# Altium PCB PCB1.PcbDoc (part 3 of 5)
Units mil, origin at the board's own origin, x right, y up, seen from the top; angles counter-clockwise.
Board outline 7874.02 x 4566.93 mil, 8 copper layers (HIGH_SPEED_TOP, GND PLANE1, LOW_SPEED, +1V8_3V3_5V, +12V, SIGNAL, GND_PLANE3, HIGH_SPEED_BOT), stack 62.99 mil thick; 506 components, 435 nets, 2446 pads, 250 vias.
Unrouted connection lines stored in the file: 958.
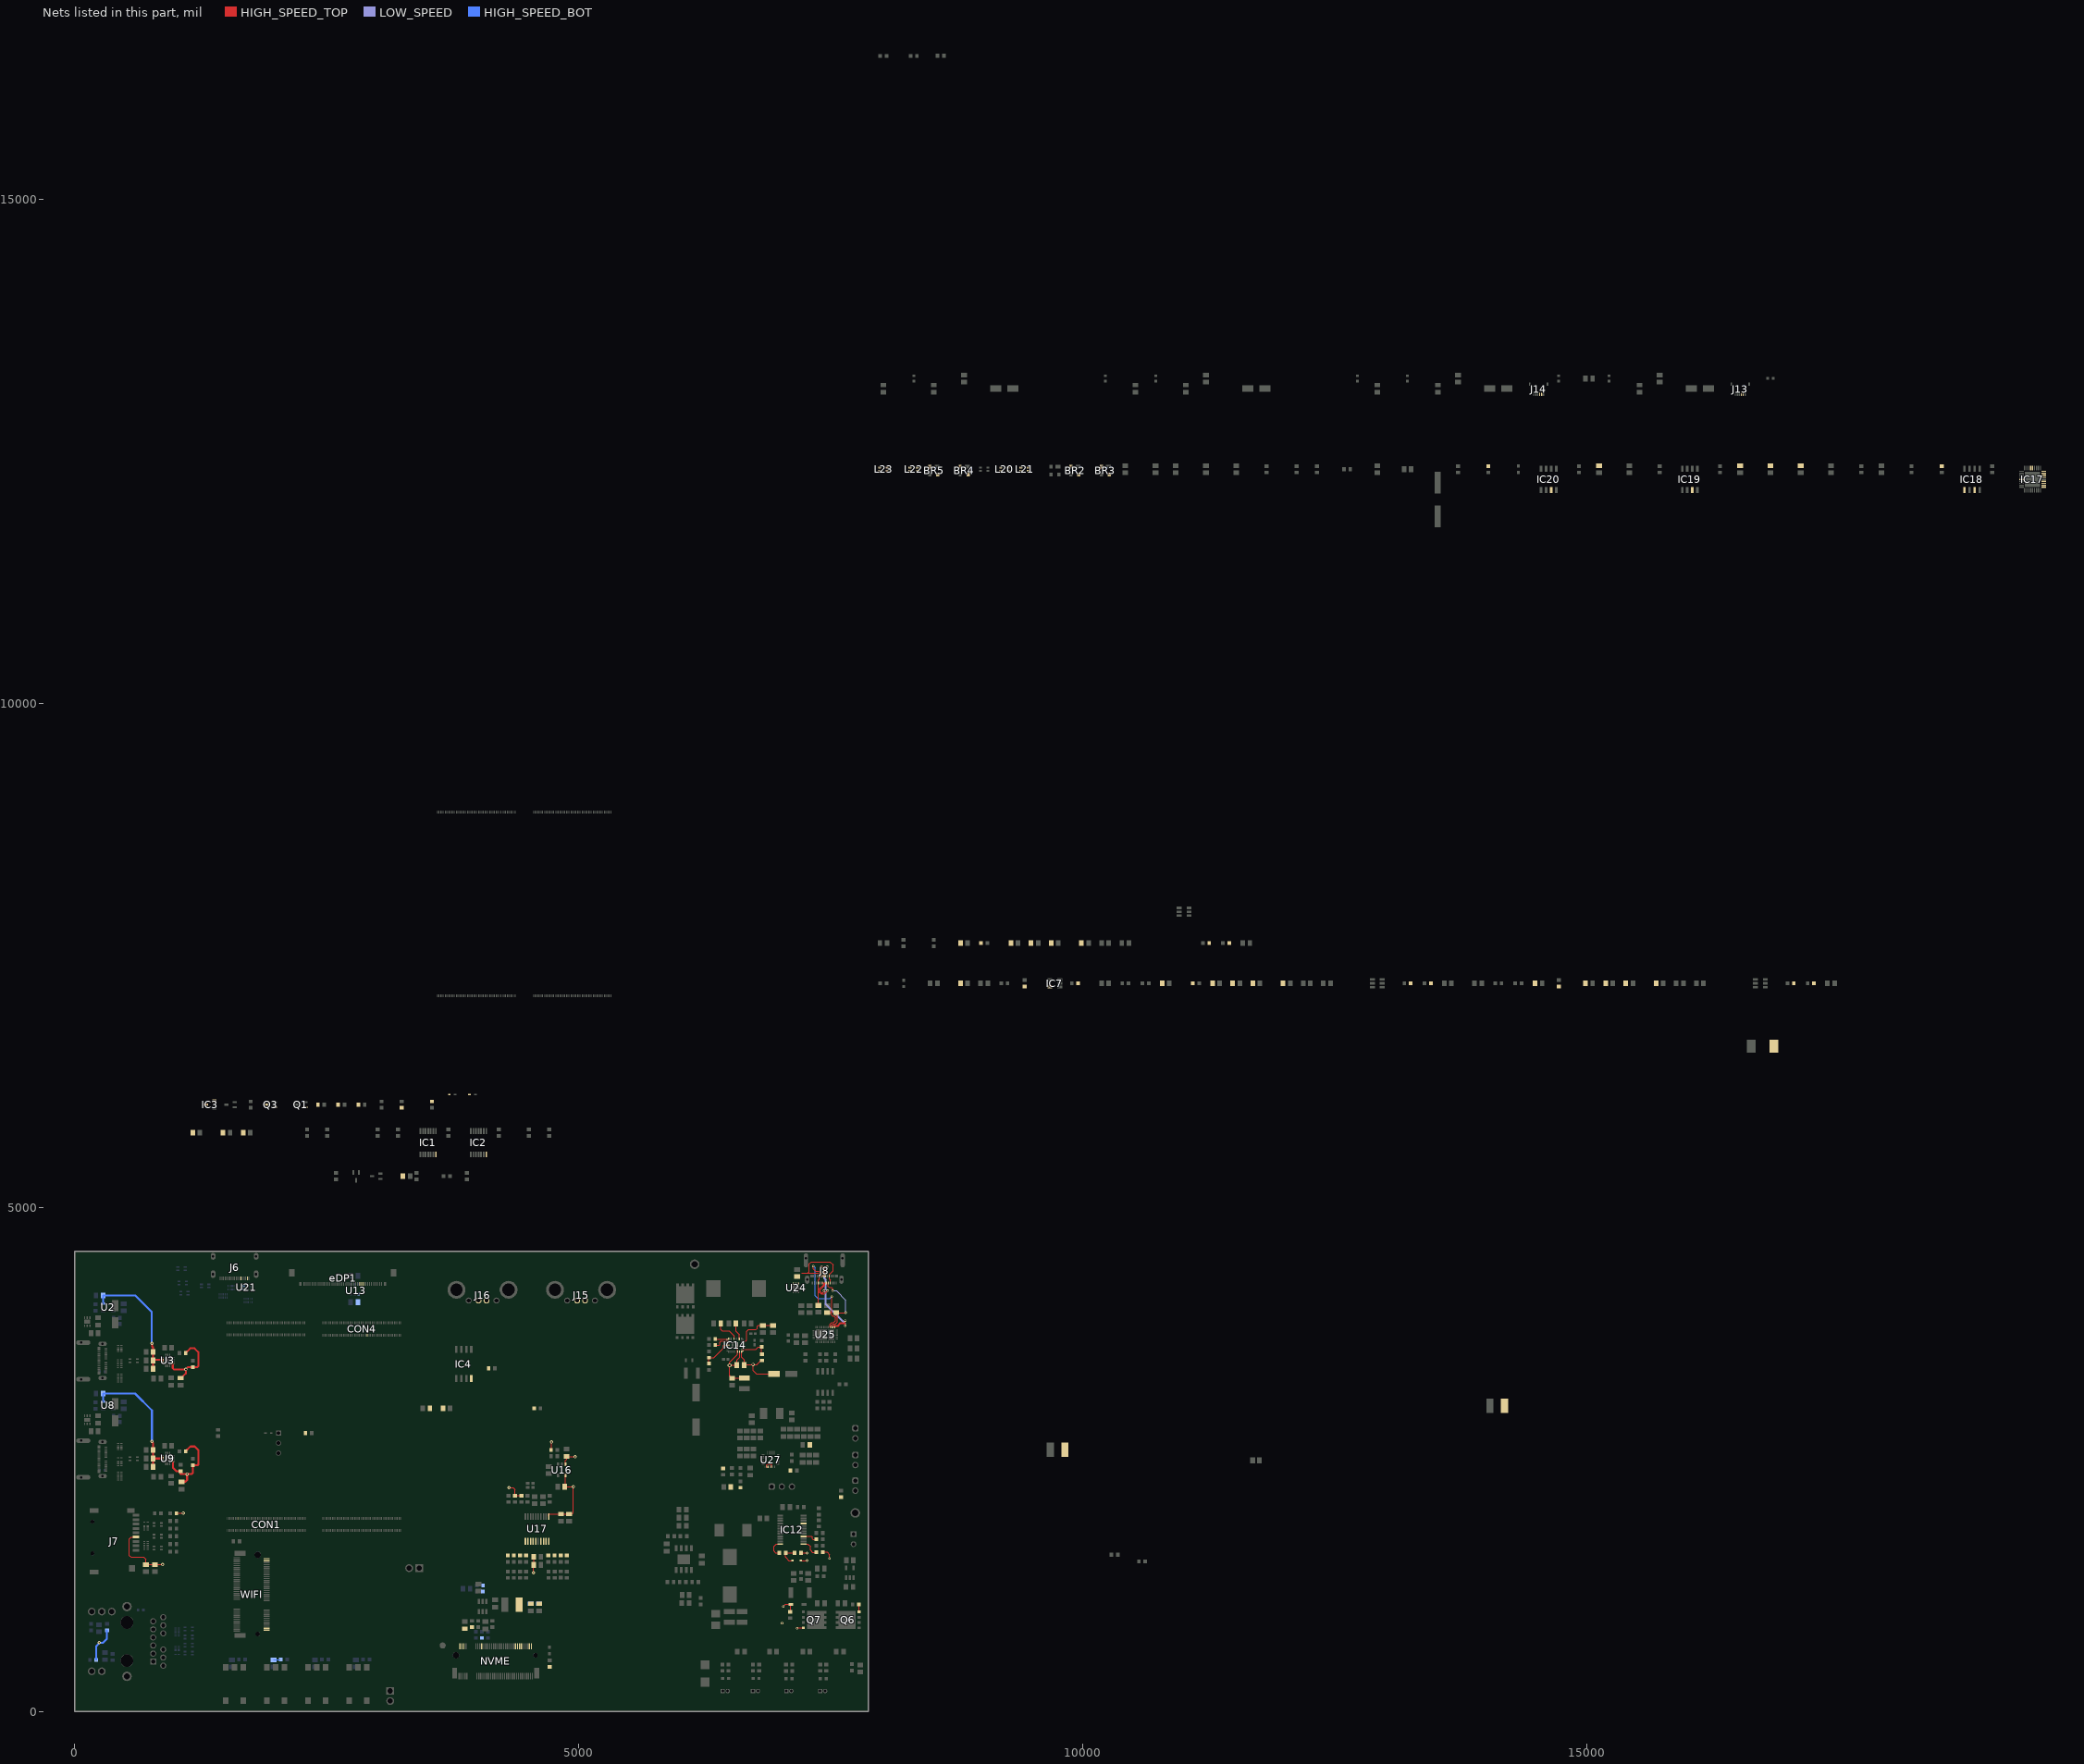
[diagram p9: the nets of this part, all layers, seen from the top]

## Part data (continued)
IC3: "USB Power Switch Single 5.2V 0.4A 3-Pin SOT-23 T/R", Case/Package=TO-236-3, Manufacturer=Diodes, Manufacturer_Name="Diodes Incorporated", Max Operating Temperature=85°C, Min Operating Temperature=-40°C, Mouser Part Number=621-AP2331TDSA-7, Output Current=200mA, Supplier Part Number=AP2331TDSA-7DICT-ND, Arrow Part Number=AP2331TDSA-7, Arrow Price/Stock=https://www.arrow.com/en/products/ap2331tdsa-7/diodes-incorporated?region=nac, Category="USB Interface ICs", ComponentLink1Description=https://www.diodes.com/assets/Datasheets/AP2331TD.pdf?src-supplier=Digikey, ComponentLink1URL=https://www.diodes.com/assets/Datasheets/AP2331TD.pdf?src-supplier=Digikey, ComponentLink2Description=https://datasheet.octopart.com/AP2331TDSA-7-Diodes-Inc.-datasheet-150576120.pdf?src-supplier=SHENGYU+ELECTRONICS, ComponentLink2URL=https://datasheet.octopart.com/AP2331TDSA-7-Diodes-Inc.-datasheet-150576120.pdf?src-supplier=SHENGYU+ELECTRONICS, Datasheet Link=https://www.diodes.com//assets/Datasheets/AP2331TD.pdf, Height=1.1mm, Manufacturer Part Number=AP2331TDSA-7, Manufacturer_Part_Number=AP2331TDSA-7, Mounting Technology="Surface Mount", Mouser Price/Stock=https://www.mouser.co.uk/ProductDetail/Diodes-Incorporated/AP2331TDSA-7?qs=W0yvOO0ixfEfFxPGIHJ0Tw%3D%3D, Number of Channels=1NUMBER, Packaging="Cut Tape", Pricing="1=0.57, 10=0.339, 25=0.2784, 100=0.2098, 250=0.176, 500=0.1552, 1000=0.13777 (USD)", RoHS=Yes, RoHS Compliant=Yes, Series=-, Stock=6292, Supplier=Digikey
IC4: "FLASH - NOR Memory IC 8Mb (1M x 8) SPI - Quad I/O 108 MHz 8-SOIC", Case/Package=SOP, Clock Frequency=108MHz, Manufacturer=Renesas, Manufacturer_Name="Adesto Technologies", Max Operating Temperature=85°C, Max Supply Current=16mA, Max Supply Voltage=3.6V, Min Operating Temperature=-40°C, Min Supply Voltage=2.7V, Mouser Part Number=988-AT25SF081B-SHB-T, Nominal Supply Voltage=3V, Operating Mode=SYNCHRONOUS, Package Body Material=Plastic, Package Equivalence Code=SOP8,.3, Package Shape=Rectangular, Standby Current-Max=30uA, Supplier Part Number=1265-AT25SF081B-SHB-TCT-ND, Temperature Grade=INDUSTRIAL, Category=Memory, Channels=1, Data Retention Time-Min=20, Datasheet Link=https://eu.mouser.com/datasheet/2/590/at25sf081b-1888118.pdf, Density=8388608b, Endurance=100000Cycles, Height=2.16mm, Height - Seated (Max)=2.16mm, JESD-30 Code=R-PDSO-G8, Length=5.29mm, Manufacturer Part Number=AT25SF081B-SHB-T, Manufacturer_Part_Number=AT25SF081B-SHB-T, Memory Format=FLASH, Memory Width=8, Moisture Sensitivity Level=1, Mouser Price/Stock=https://www.mouser.co.uk/ProductDetail/Adesto-Technologies/AT25SF081B-SHB-T?qs=wnTfsH77Xs46OZOQzObQdg%3D%3D, Number of Words Code=1M, Output Characteristics=3-STATE, Parallel/Serial=SERIAL, Pins=8, Pricing="1=0.45, 10=0.42, 25=0.4088, 50=0.4004, 100=0.3918, 250=0.38028, 500=0.37154, 1000=0.3628 (USD)", Programming Voltage=3V, Reach SVHC Compliant=No, RoHS=Yes, RoHS Compliant=Yes, Serial Bus Type=QSPI, Stock=39721, Supplier=Digikey, Surface Mount=Yes, Technology=CMOS, Terminal Form="Gull Wing", Terminal Pitch=1.27mm, Terminal Position=DUAL, Type="NOR TYPE", Width=5.24mm, Write Protection=HARDWARE/SOFTWARE
IC5 IC6 IC8 IC9: "IC REG BUCK ADJ 4A SOT23 \"Buck Switching Regulator IC Positive Adjustable 0.76V 1 Output 4A SOT-23-6 Thin, TSOT-23-6\"", Case/Package=SOT-23-6, Manufacturer="Texas Instruments", Max Operating Temperature=125°C, Max Output Voltage=7V, Max Supply Voltage=17V, Min Input Voltage=4.5V, Min Operating Temperature=-40°C, Min Output Voltage=760mV, Mouser Part Number=595-TPS564201DDCR, Output Current=4A, Quiescent Current=400uA, Supplier Part Number=296-47373-1-ND, Switching Frequency=560kHz, Arrow Part Number=TPS564201DDCR, Arrow Price/Stock=https://www.arrow.com/en/products/tps564201ddcr/texas-instruments?region=nac, Category="Voltage Regulators - Switching", ComponentLink1Description=http://www.ti.com/lit/ds/symlink/tps564201.pdf?src-supplier=Digikey, ComponentLink1URL=http://www.ti.com/lit/ds/symlink/tps564201.pdf?src-supplier=Digikey, ComponentLink2Description=http://www.ti.com/general/docs/suppproductinfo.tsp?distId=10&amp;gotoUrl=http%3A%2F%2Fwww.ti.com%2Flit%2Fgpn%2Ftps564201&src-supplier=Digikey, ComponentLink2URL=http://www.ti.com/general/docs/suppproductinfo.tsp?distId=10&amp;gotoUrl=http%3A%2F%2Fwww.ti.com%2Flit%2Fgpn%2Ftps564201&src-supplier=Digikey, Datasheet Link=http://www.ti.com/lit/gpn/tps564201, Height=1.1mm, Lead Free="Lead Free", Length=2.9mm, Manufacturer Part Number=TPS564201DDCR, Manufacturer_Name="Texas Instruments", Manufacturer_Part_Number=TPS564201DDCR, Mounting Technology="Surface Mount", Mouser Price/Stock=https://www.mouser.co.uk/ProductDetail/Texas-Instruments/TPS564201DDCR?qs=zEmsApcVOkUKQpyzRnH%2FcQ%3D%3D, Number of Channels=1, Number of Outputs=1, Output Configuration=Positive, Output Type=Adjustable, Packaging="Cut Tape", Pins=6, RoHS=Yes, RoHS Compliant=Yes, Series=D-CAP2™, Supplier=Digikey, Synchronous Rectifier=Yes, Thickness=870um, Width=1.6mm
IC7: "Linear Voltage Regulator IC Positive Fixed 1.8V Output 300mA SOT-23-5", Manufacturer_Name=RICHTEK, Mouser Part Number=835-RT9193-18GB, Datasheet Link=http://www.richtek.com/assets/product_file/RT9193/DS9193-17.pdf, Height=1.295mm, Manufacturer_Part_Number=RT9193-18GB, Mouser Price/Stock=https://www.mouser.co.uk/ProductDetail/Richtek/RT9193-18GB?qs=amGC7iS6iy%2Fw9hCsuPB4cg%3D%3D
IC12: "/Polymer 3~5 TSSOP-24 Battery Management ICs ROHS", Case/Package=TSSOP, Manufacturer="Texas Instruments", Max Operating Temperature=85°C, Max Supply Voltage=25V, Min Operating Temperature=-40°C, Min Supply Voltage=3V, Mouser Part Number=595-BQ7791501PWR, Output Voltage=16V, Supplier Part Number=296-BQ7791501PWRCT-ND, Arrow Part Number=BQ7791501PWR, Arrow Price/Stock=null?region=nac, Category="Battery Management", ComponentLink1Description=http://www.ti.com/general/docs/suppproductinfo.tsp?distId=10&amp;gotoUrl=http%3A%2F%2Fwww.ti.com%2Flit%2Fgpn%2Fbq77915&src-supplier=Digikey, ComponentLink1URL=http://www.ti.com/general/docs/suppproductinfo.tsp?distId=10&amp;gotoUrl=http%3A%2F%2Fwww.ti.com%2Flit%2Fgpn%2Fbq77915&src-supplier=Digikey, Datasheet Link=https://www.ti.com/lit/gpn/BQ77915, Fault Protection="Over Current,Over Temperature,Short Circuit,Over/Under Voltage", Height=1.2mm, Length=7.8mm, Manufacturer Part Number=BQ7791501PWR, Manufacturer_Name="Texas Instruments", Manufacturer_Part_Number=BQ7791501PWR, Mounting Technology="Surface Mount", Mouser Price/Stock=https://www.mouser.co.uk/ProductDetail/Texas-Instruments/BQ7791501PWR?qs=B6kkDfuK7%2FBYqAWOM%2FFUaQ%3D%3D, Number of Cells=5, Number of Outputs=1, Pins=24, Pricing="1=1.62, 10=1.183, 25=1.0748, 100=0.9555, 250=0.89868, 500=0.86442, 1000=0.83623 (USD)", RoHS=Yes, Series=-, Stock=5538, Supplier=Digikey, Thickness=1mm, Width=4.4mm
IC14: "36-V, 16-A buck-boost converter 26-VQFN-HR -40 to 125", Manufacturer="Texas Instruments", Mouser Part Number=595-TPS552882RPMR, Supplier Part Number=296-TPS552882RPMRCT-ND, Arrow Part Number=TPS552882RPMR, Arrow Price/Stock=https://www.arrow.com/en/products/tps552882rpmr/texas-instruments?utm_currency=USD&region=nac, Category="Voltage Regulators - Switching", Datasheet Link=https://www.ti.com/lit/gpn/TPS552882, Height=1mm, Manufacturer Part Number=TPS552882RPMR, Manufacturer_Name="Texas Instruments", Manufacturer_Part_Number=TPS552882RPMR, Mouser Price/Stock=https://www.mouser.co.uk/ProductDetail/Texas-Instruments/TPS552882RPMR?qs=81r%252BiQLm7BSBLProFZmPCQ%3D%3D, Pricing="1=6.03, 10=4.623, 25=4.2716, 100=3.8854, 250=3.70124, 500=3.59024, 1000=3.49889 (USD)", RoHS=Yes, Stock=2434, Supplier=Digikey
IC15: "Buck Switching Regulator IC Positive Adjustable 0.8V 1 Output 5A 8-PowerSOIC (0.154\", 3.90mm Width)", Manufacturer_Name="Texas Instruments", Mouser Part Number=595-TPS54531DDA, Arrow Part Number=TPS54531DDA, Arrow Price/Stock=https://www.arrow.com/en/products/tps54531dda/texas-instruments?utm_currency=USD&region=nac, Datasheet Link=http://www.ti.com/lit/gpn/tps54531, Height=1.7mm, Manufacturer_Part_Number=TPS54531DDA, Mouser Price/Stock=https://www.mouser.co.uk/ProductDetail/Texas-Instruments/TPS54531DDA?qs=jA5Ki6243omoJVKISZs%2FBg%3D%3D
IC16: "500mA high-PSRR low-IQ low-dropout voltage regulator with enable 5-SOT-23 -40 to 125", Case/Package=SOT-23-5, Manufacturer="Texas Instruments", Max Operating Temperature=125°C, Max Supply Voltage=5.5V, Min Operating Temperature=-40°C, Min Output Voltage=3.3V, Min Supply Voltage=1.45V, Mouser Part Number=595-TLV75533PDBVR, Output Current=500mA, Power Supply Rejection Ratio (PSRR)=52dB, Quiescent Current=31uA, Supplier Part Number=296-50411-1-ND, Accuracy=1%, Arrow Part Number=TLV75533PDBVR, Arrow Price/Stock=https://www.arrow.com/en/products/tlv75533pdbvr/texas-instruments?utm_currency=USD&region=europe, Category="Voltage Regulators - Linear", ComponentLink1Description=http://www.ti.com/lit/ds/symlink/tlv755p.pdf?src-supplier=Digikey, ComponentLink1URL=http://www.ti.com/lit/ds/symlink/tlv755p.pdf?src-supplier=Digikey, ComponentLink2Description=http://www.ti.com/general/docs/suppproductinfo.tsp?distId=10&amp;gotoUrl=http%3A%2F%2Fwww.ti.com%2Flit%2Fgpn%2Ftlv755p&src-supplier=Digikey, ComponentLink2URL=http://www.ti.com/general/docs/suppproductinfo.tsp?distId=10&amp;gotoUrl=http%3A%2F%2Fwww.ti.com%2Flit%2Fgpn%2Ftlv755p&src-supplier=Digikey, Datasheet Link=http://www.ti.com/lit/gpn/tlv755p, Height=1.45mm, Length=2.9mm, Manufacturer Part Number=TLV75533PDBVR, Manufacturer_Name="Texas Instruments", Manufacturer_Part_Number=TLV75533PDBVR, Mounting Technology="Surface Mount", Mouser Price/Stock=https://www.mouser.co.uk/ProductDetail/Texas-Instruments/TLV75533PDBVR?qs=55YtniHzbhAKEwqeO2xJXQ%3D%3D, Number of Channels=1NUMBER, Number of Outputs=1NUMBER, Number of Regulators=1, Output Configuration=Positive, Output Type=Fixed, Output Voltage=3.3V, Packaging="Cut Tape", Pins=5NUMBER, Pricing="1=0.32, 10=0.218, 25=0.1936, 100=0.1665, 250=0.15364, 500=0.1459, 1000=0.13951 (USD)", RoHS=Yes, RoHS Compliant=Yes, Series=-, Stock=14166, Supplier=Digikey, Thickness=1.2mm, Width=1.6mm
IC17: "USB Hub Controller USB 2.0 USB Interface 36-QFN (6x6)", Manufacturer_Name=Microchip, Mouser Part Number=886-USB2514B-AEZG, Arrow Part Number=USB2514B-AEZG, Arrow Price/Stock=https://www.arrow.com/en/products/usb2514b-aezg/microchip-technology?utm_currency=USD&region=nac, Datasheet Link=http://ww1.microchip.com/downloads/en/DeviceDoc/00001692C.pdf, Height=1mm, Manufacturer_Part_Number=USB2514B-AEZG, Mouser Price/Stock=https://www.mouser.co.uk/ProductDetail/Microchip-Technology/USB2514B-AEZG?qs=ydWXD%252B8LvLCxuNqQPTEcVA%3D%3D
IC18: "Power Switch/Driver 1:1 N-Channel 2A 8-SOIC", Manufacturer_Name=Microchip, Mouser Part Number=998-MIC2505-1YM, Arrow Part Number=MIC2505-1YM, Arrow Price/Stock=https://www.arrow.com/en/products/mic2505-1ym/microchip-technology?region=nac, Datasheet Link=http://ww1.microchip.com/downloads/en/DeviceDoc/20005579A.pdf, Height=1.73mm, Manufacturer_Part_Number=MIC2505-1YM, Mouser Price/Stock=https://www.mouser.co.uk/ProductDetail/Microchip-Technology/MIC2505-1YM?qs=aiLzH1moG334fyRlF%2FjkOA%3D%3D
IC19 IC20: "Power Switch/Driver 1:2 N-Channel 1.25A 8-SOIC", Manufacturer_Name=Microchip, Mouser Part Number=998-MIC2026-1YM, Arrow Part Number=MIC2026-1YM, Arrow Price/Stock=https://www.arrow.com/en/products/mic2026-1ym/microchip-technology?utm_currency=USD&region=nac, Datasheet Link=https://datasheet.datasheetarchive.com/originals/distributors/Datasheets_SAMA/de61a94af7af6e146ce4ec6120a88ebf.pdf, Height=1.73mm, Manufacturer_Part_Number=MIC2026-1YM, Mouser Price/Stock=https://www.mouser.co.uk/ProductDetail/Microchip-Technology/MIC2026-1YM?qs=fCMQZLq47kXY18AAaO6axw%3D%3D
J1: library part CM3588, LCSC=C597931
J2 J3 J8: "USB-C (USB TYPE-C) USB 3.2 Gen 2 (USB 3.1 Gen 2, Superspeed + (USB 3.1)) Receptacle Connector 24 Position Surface Mount, Right Angle; Through Hole", Package=None, Check_prices=https://www.snapeda.com/parts/2012670005/Molex/view-part/?ref=eda, MF=Molex, MP=2012670005, SnapEDA_Link=https://www.snapeda.com/parts/2012670005/Molex/view-part/?ref=snap
J6: "Conn Mini HDMI PL 19 POS 0.4mm Solder RA SMD 19 Terminal 1 Port T/R", Flammability Rating="UL94 V-0", Insulation Color=Black, Manufacturer="Wurth Electronics", Manufacturer Part Number=685119136923, Max Operating Temperature=85°C, Mfr_Name="CNC Tech", Min Operating Temperature=-25°C, Package Quantity=1, Supplier Part Number=732-2739-1-ND, Voltage Rating=40V, Body Material=Brass, Category="Audio / Video Connectors", ComponentLink1Description=https://datasheet.ciiva.com/851/685119136923-851484.pdf?src-supplier=Digikey, ComponentLink1URL=https://datasheet.ciiva.com/851/685119136923-851484.pdf?src-supplier=Digikey, ComponentLink2Description=https://datasheet.ciiva.com/5053/685119136923-63845-5053221.pdf?src-supplier=Mouser, ComponentLink2URL=https://datasheet.ciiva.com/5053/685119136923-63845-5053221.pdf?src-supplier=Mouser, ComponentLink3Description=https://datasheet.ciiva.com/851/685119136923-851485.pdf?src-supplier=Digikey, ComponentLink3URL=https://datasheet.ciiva.com/851/685119136923-851485.pdf?src-supplier=Digikey, ComponentLink4Description=https://datasheet.ciiva.com/851/685119136923-851486.pdf?src-supplier=Digikey, ComponentLink4URL=https://datasheet.ciiva.com/851/685119136923-851486.pdf?src-supplier=Digikey, Connector Type=HDMI, Contact Plating=Gold, Features=Shielded, Gender=Receptacle, Lead Free="Lead Free", Mating Cycles=1500, Mounting Technology="Surface Mount,Horizontal,Through Hole", Number of Contacts=19, Number of Ports=1, Number of Positions=19, Orientation="Right Angle", Packaging="Tape and Reel", Pricing="1=3.06, 10=3.009, 50=2.794, 100=2.579 (USD)", Reach SVHC Compliant=Unknown, RefDes=RefDes, RoHS=Yes, RoHS Compliant=Yes, Series=WR-COM, Shielding=Shielded, Stock=2568, Supplier=Digikey, Termination=SMD/SMT, Type=Type
J7: library part MSD-4-A, "Micro SD Card Connector, 9 Positions, Connector and Ejector, Push In, Auto Eject Out, Surface Mount, 1.8 mm Height Above Board, Gold Flash", Package=None, Check_prices=https://www.snapeda.com/parts/MSD-4-A/Same+Sky/view-part/?ref=eda, MF="Same Sky", MP=MSD-4-A, SnapEDA_Link=https://www.snapeda.com/parts/MSD-4-A/Same+Sky/view-part/?ref=snap
J9: library part M20-9990345, "Conn Unshrouded Header HDR 3 POS 2.54mm Solder ST Top Entry Thru-Hole Bag", Case/Package=SIL, Color=Black, Contact Resistance=25mR, Current Rating=3A, Insulation Resistance=10GR, Manufacturer=Harwin, Max Operating Temperature=105°C, Min Operating Temperature=-40°C, Mouser Part Number=855-M20-9990345, Package Quantity=1000, Supplier Part Number=952-2263-ND, Voltage Rating (AC)=750V, Category="Headers and Wire Housings", ComponentLink1Description=https://datasheet.ciiva.com/11747/0900766b80da602d-11747505.pdf?src-supplier=Rs, ComponentLink1URL=https://datasheet.ciiva.com/11747/0900766b80da602d-11747505.pdf?src-supplier=Rs, ComponentLink2Description=https://datasheet.ciiva.com/5160/m20-999-351179-5160492.pdf?src-supplier=Mouser, ComponentLink2URL=https://datasheet.ciiva.com/5160/m20-999-351179-5160492.pdf?src-supplier=Mouser, ComponentLink3Description=https://datasheet.ciiva.com/10151/m20-999-10151334.pdf?src-supplier=Avnet, ComponentLink3URL=https://datasheet.ciiva.com/10151/m20-999-10151334.pdf?src-supplier=Avnet, Contact Material=Bronze,Brass, Contact Mating Length=0.24inch, Contact Plating=Gold, Contact Type="Male Pin", Datasheet Link=https://cdn.harwin.com/pdfs/M20-999.pdf, Depth=2.54mm, Height=8.64mm, Housing Color=Black, Housing Material=Nylon, Length=7.62mm, Manufacturer Part Number=M20-9990345, Manufacturer_Name=Harwin, Manufacturer_Part_Number=M20-9990345, Max Current Rating=3A, Mounting Technology="Through Hole", Mouser Price/Stock=https://www.mouser.co.uk/ProductDetail/Harwin/M20-9990345?qs=ulE8k0yEMYbl6ZPCtNdmpA%3D%3D, Number of Contacts=3, Number of Positions=3, Number of Rows=1, Orientation=Straight, Packaging=Bulk, Pitch=2.54mm, Pricing="1=0.15, 10=0.124, 100=0.1053, 500=0.09398, 1000=0.08949, 5000=0.07987, 10000=0.07606 (USD)", Radiation Hardening=No, Reach SVHC Compliant=No, RoHS=Yes, RoHS Compliant=Yes, Series=M20, Stock=53080, Supplier=Digikey, Termination=Solder, Weight=0.006138oz
J12: "WR-PHD Pin Header, THT, Vertical, pitch 2.54mm, 1 Row, 3P", Contact Resistance=20mOhm, Manufacturer="Wurth Elektronik", Operating Temperature Max=105°C, Operating Temperature Min=-40°C, Rated Current=3A, Withstanding Voltage=500V, Working Voltage=250V, Category="Board-to-Board Connectors", ComponentLink1Description="Website Link", ComponentLink1URL=https://www.we-online.com/redexpert/article/61300311121?ad, ComponentLink2Description="Datasheet Link", ComponentLink2URL=https://www.we-online.com/redexpert/spec/61300311121?ad, Gender="Pin Header", Manufacturer Part Number=61300311121, Match Code=WR-PHD, Mount="Through Hole", Number of Pins=3, Number of Rows=1, Orientation=Vertical, Packaging=Bag, Pitch=2.54mm
J13 J14: library part 2328702-6, "FPC Connector; 0.5mm pitch dual contact back flip FPC, 6pos", Actuator Color=Black, Case/Package=0402, Current Rating=500mA, Flammability Rating="UL94 V-0", Housing Color=Natural, Manufacturer="TE Connectivity", Max Operating Temperature=85°C, Min Operating Temperature=-40°C, Mouser Part Number=571-2328702-6, Ratings=AEC-Q200, Supplier Part Number=A141388CT-ND, Voltage Rating=50V, Actuator Material=Thermoplastic, Arrow Part Number=2328702-6, Arrow Price/Stock=https://www.arrow.com/en/products/2328702-6/te-connectivity?utm_currency=USD&region=nac, Category="FFC / FPC", ComponentLink1Description=https://www.te.com/commerce/DocumentDelivery/DDEController?Action=srchrtrv&amp;DocNm=2328702&amp;DocType=Customer+Drawing&amp;DocLang=English&src-supplier=Digikey, ComponentLink1URL=https://www.te.com/commerce/DocumentDelivery/DDEController?Action=srchrtrv&amp;DocNm=2328702&amp;DocType=Customer+Drawing&amp;DocLang=English&src-supplier=Digikey, ComponentLink2Description=https://www.te.com/commerce/DocumentDelivery/DDEController?Action=srchrtrv&DocNm=2328702&DocType=Customer+Drawing&DocLang=English&src-supplier=Digikey, ComponentLink2URL=https://www.te.com/commerce/DocumentDelivery/DDEController?Action=srchrtrv&DocNm=2328702&DocType=Customer+Drawing&DocLang=English&src-supplier=Digikey, ComponentLink3Description=https://datasheet.octopart.com/2328702-6-TE-Connectivity-datasheet-137167967.pdf?src-supplier=Electro+Sonic, ComponentLink3URL=https://datasheet.octopart.com/2328702-6-TE-Connectivity-datasheet-137167967.pdf?src-supplier=Electro+Sonic, Contact Material="Copper Alloy", Contact Plating=Gold, Datasheet Link="https://www.te.com/commerce/DocumentDelivery/DDEController?Action=srchrtrv&DocNm=1-1773959-7-FPC-Connectors-CN&DocType=Data%20Sheet&DocLang=Chinese (Simplified)&PartCntxt=2328702-6&DocFormat=pdf", Height=1.1mm, Housing Material=Thermoplastic, Manufacturer Part Number=2328702-6, Manufacturer_Name="TE Connectivity", Manufacturer_Part_Number=2328702-6, Mounting Technology="Surface Mount", Mouser Price/Stock=https://www.mouser.co.uk/ProductDetail/TE-Connectivity/2328702-6?qs=w%2Fv1CP2dgqrAQsCHQ2ClBQ%3D%3D, Number of Positions=6, Packaging="Cut Tape", Pricing="1=0.19, 10=0.162, 25=0.1512, 50=0.144, 100=0.1372, 250=0.12856, 500=0.12242, 1000=0.11657 (USD)", RoHS=Yes, Series=-, Stock=48490, Supplier=Digikey, Termination=Solder
J15 J16: library part 292303-1, "USB-A (USB TYPE-A) USB 2.0 Receptacle Connector 4 Position Through Hole, Right Angle", Manufacturer_Name="TE Connectivity", Mouser Part Number=571-292303-1, Arrow Part Number=292303-1, Arrow Price/Stock=https://www.arrow.com/en/products/292303-1/te-connectivity?region=europe, Datasheet Link=https://datasheet.datasheetarchive.com/originals/distributors/Datasheets_SAMA/3e4c4de204b167d1a9250e6de251b7b8.pdf, Manufacturer_Part_Number=292303-1, Mouser Price/Stock=https://www.mouser.co.uk/ProductDetail/TE-Connectivity/292303-1?qs=G%2F5vCLrg9vx2OsUPTgR%2F%252BQ%3D%3D
J17 RTC_BAT: library part 61300211121, "THT Vertical Pin Header WR-PHD, Pitch 2.54 mm, Single Row, 2 pins", Color=Black, Contact Resistance=20mR, Current Rating=3A, Manufacturer="Wurth Electronics", Manufacturer_Name="Wurth Elektronik", Max Operating Temperature=125°C, Min Operating Temperature=-40°C, Mouser Part Number=710-61300211121, Operating Supply Voltage=250V, Supplier Part Number=732-5315-ND, Category="Headers and Wire Housings", ComponentLink1Description=https://datasheet.ciiva.com/13619/6130xx11121-48870-13619345.pdf?src-supplier=Mouser, ComponentLink1URL=https://datasheet.ciiva.com/13619/6130xx11121-48870-13619345.pdf?src-supplier=Mouser, Contact Gender=Male, Contact Material="Copper Alloy,Copper", Contact Mating Length=0.236inch, Contact Plating=Gold, Contact Type="Male Pin", Datasheet Link=https://componentsearchengine.com/Datasheets/2/61300211121.pdf, Gender=29Gender, Height=8.54mm, Housing Material=PBT, Lead Free="Lead Free", Manufacturer Part Number=61300211121, Manufacturer_Part_Number=61300211121, Mounting Technology="Through Hole", Mouser Price/Stock=https://www.mouser.co.uk/ProductDetail/Wurth-Elektronik/61300211121?qs=t4813l51qx%252B1A5GYDQxPlw%3D%3D, Number of Contacts=2, Number of Positions=2, Number of Rows=1, Orientation=5495OrientationType, Packaging=Bulk, Pitch=0.1inch, Pricing="1=0.12, 10=0.102, 25=0.0848, 50=0.0712, 100=0.0639, 1000=0.06 (USD)", Reach SVHC Compliant=Unknown, RoHS=Yes, RoHS Compliant=Yes, Series=WR-PHD, Stock=95882, Supplier=Digikey, Termination="Through Hole", Voltage Rating=250V
JP1 JP2 JP3: library part Header_2x1, "Header, 100mil, 2x1, Tin, TH", Color=Black, Current_A=3A, Manufacturer="Sullins Connector Solutions", PartNumber=PEC02SAAN, Supplier Part Number 1=S1012E-02-ND, Voltage_V=1.8kV, Cert_UL=Y, ClassName=Header, CNHeader=TRUE, ComponentLink1Description="Datasheet URL", ComponentLink1URL=http://www.sullinscorp.com/catalogs/77_PAGE108-109_.100_MALE_HDR.pdf, CompType=Header, ContactFinish=Tin, CT=FALSE, Gender=Male, Green_EU RoHS=Incomplete, Green_EU RoHS-2=Incomplete, Green_Lifecycle="Not Set", Green_REACh=Incomplete, LatestRevisionDate=26/05/2017, MountType=TH, Orientation=Vertical, PackageReference="Header, 2 PIN, 100mil, Tin", PinCount=2, Pitch_mm=2.54, Publisher="Texas Instruments", RoHS=Y, Row_Count=1, Shrouded=N, Supplier 1=Digi-Key
L1 L2 L19 L20 L21 L22 L23: library part ACM2012-900-2P-T002, "Ferrite Beads Wirewound Common Mode Filter 90Ohm 100MHz 400mA 0805 T/R", Case Code (Imperial)=0805, Case Code (Metric)=2012, Coil Resistance=190mR, Current=400mA, Manufacturer=TDK, Max Operating Temperature=85°C, Min Operating Temperature=-40°C, Mouser Part Number=810-ACM20129002PT002, Package Quantity=1, Supplier Part Number=445-2207-1-ND, Test Frequency=100MHz, Voltage Rating=50V, Arrow Part Number=ACM2012-900-2P-T002, Arrow Price/Stock=https://www.arrow.com/en/products/acm2012-900-2p-t002/tdk?utm_currency=USD&region=europe, Case/Package=0805, Category="Common Mode Chokes", ComponentLink1Description=https://datasheet.ciiva.com/26946/getdatasheetpartid-664745-26946491.pdf?src-supplier=Verical, ComponentLink1URL=https://datasheet.ciiva.com/26946/getdatasheetpartid-664745-26946491.pdf?src-supplier=Verical, ComponentLink2Description=https://datasheet.ciiva.com/1127/1750020-1127257.pdf?src-supplier=Element14, ComponentLink2URL=https://datasheet.ciiva.com/1127/1750020-1127257.pdf?src-supplier=Element14, ComponentLink3Description=https://datasheet.ciiva.com/22726/1750020-22726278.pdf?src-supplier=Element14, ComponentLink3URL=https://datasheet.ciiva.com/22726/1750020-22726278.pdf?src-supplier=Element14, ComponentLink4Description=https://datasheet.ciiva.com/28428/1750020-28428616.pdf?src-supplier=Element14, ComponentLink4URL=https://datasheet.ciiva.com/28428/1750020-28428616.pdf?src-supplier=Element14, ComponentLink5Description=https://datasheet.ciiva.com/46450/1750020-46450939.pdf?src-supplier=Element14, ComponentLink5URL=https://datasheet.ciiva.com/46450/1750020-46450939.pdf?src-supplier=Element14, ComponentLink6Description=https://datasheet.ciiva.com/1007/e9712-acm-1007624.pdf?src-supplier=Digikey, ComponentLink6URL=https://datasheet.ciiva.com/1007/e9712-acm-1007624.pdf?src-supplier=Digikey, ComponentLink7Description=https://datasheet.ciiva.com/1007/e9712-acm-1007623.pdf?src-supplier=Digikey, ComponentLink7URL=https://datasheet.ciiva.com/1007/e9712-acm-1007623.pdf?src-supplier=Digikey, ComponentLink8Description=https://datasheet.ciiva.com/1007/e9712-acm-1007625.pdf?src-supplier=Digikey, ComponentLink8URL=https://datasheet.ciiva.com/1007/e9712-acm-1007625.pdf?src-supplier=Digikey, ComponentLink9Description=https://datasheet.ciiva.com/4941/tdk-e9712-acm-332263-4941941.pdf?src-supplier=Mouser, ComponentLink9URL=https://datasheet.ciiva.com/4941/tdk-e9712-acm-332263-4941941.pdf?src-supplier=Mouser, ComponentLink10Description=https://datasheet.ciiva.com/16416/e9712-acm-16416522.pdf?src-supplier=Future+Electronics, ComponentLink10URL=https://datasheet.ciiva.com/16416/e9712-acm-16416522.pdf?src-supplier=Future+Electronics, ComponentLink11Description=https://datasheet.ciiva.com/8498/e9712-acm-8498823.pdf?src-supplier=Avnet, ComponentLink11URL=https://datasheet.ciiva.com/8498/e9712-acm-8498823.pdf?src-supplier=Avnet, ComponentLink12Description=https://datasheet.ciiva.com/16382/e9712-acm-16382582.pdf?src-supplier=Future+Electronics, ComponentLink12URL=https://datasheet.ciiva.com/16382/e9712-acm-16382582.pdf?src-supplier=Future+Electronics, Core Material=Ferrite, Current Rating=400mA, Datasheet Link=https://product.tdk.com/system/files/dam/doc/product/emc/emc/cmf_cmc/catalog/cmf_commercial_signal_acm2012_en.pdf, DC Current=400mA, DC Resistance (DCR)=190mR, DC Resistance-Max=190mR, Depth=1.4mm, ESR=190mR, Height=1.3mm, Impedance=90R, Lead Free=5697LeadFree, Length=2.2mm, Manufacturer Part Number=ACM2012-900-2P-T002, Manufacturer_Name=TDK, Manufacturer_Part_Number=ACM2012-900-2P-T002, Max Current Rating=400mA, Max DC Current=400mA, Military Standard=Not, Mounting Technology="Surface Mount", Mouser Price/Stock=https://www.mouser.co.uk/ProductDetail/TDK/ACM2012-900-2P-T002?qs=vhEaPADELPHXWaCJFQVZjQ%3D%3D, Number of Lines=2, Packaging="Tape and Reel", Pins=4, Pricing="1=0.34, 10=0.277, 25=0.2564, 50=0.2416, 100=0.2278, 250=0.21076, 500=0.1987, 1000=0.18735 (USD)", Radiation Hardening=No, Reach SVHC Compliant=No, RMS Current (Irms)=400mA, RoHS=Yes, RoHS Compliant=Yes, Series=ACM, Shielding=Shielded, Stock=26254, Supplier=Digikey, Termination=SMD/SMT, Voltage Rating (DC)=50V, Width=0.047inch
L3 L4 L5 L6 L7 L8 L9 L10 L28 L29 L30: "Ferrite Beads Wirewound Common Mode Filter 90Ohm 100MHz 400mA 0805 T/R", Case Code (Imperial)=0805, Case Code (Metric)=2012, Coil Resistance=190mR, Current=400mA, Manufacturer=TDK, Max Operating Temperature=85°C, Min Operating Temperature=-40°C, Mouser Part Number=810-ACM20129002PT002, Package Quantity=1, Supplier Part Number=445-2207-1-ND, Test Frequency=100MHz, Voltage Rating=50V, Arrow Part Number=ACM2012-900-2P-T002, Arrow Price/Stock=https://www.arrow.com/en/products/acm2012-900-2p-t002/tdk?utm_currency=USD&region=europe, Case/Package=0805, Category="Common Mode Chokes", ComponentLink1Description=https://datasheet.ciiva.com/26946/getdatasheetpartid-664745-26946491.pdf?src-supplier=Verical, ComponentLink1URL=https://datasheet.ciiva.com/26946/getdatasheetpartid-664745-26946491.pdf?src-supplier=Verical, ComponentLink2Description=https://datasheet.ciiva.com/1127/1750020-1127257.pdf?src-supplier=Element14, ComponentLink2URL=https://datasheet.ciiva.com/1127/1750020-1127257.pdf?src-supplier=Element14, ComponentLink3Description=https://datasheet.ciiva.com/22726/1750020-22726278.pdf?src-supplier=Element14, ComponentLink3URL=https://datasheet.ciiva.com/22726/1750020-22726278.pdf?src-supplier=Element14, ComponentLink4Description=https://datasheet.ciiva.com/28428/1750020-28428616.pdf?src-supplier=Element14, ComponentLink4URL=https://datasheet.ciiva.com/28428/1750020-28428616.pdf?src-supplier=Element14, ComponentLink5Description=https://datasheet.ciiva.com/46450/1750020-46450939.pdf?src-supplier=Element14, ComponentLink5URL=https://datasheet.ciiva.com/46450/1750020-46450939.pdf?src-supplier=Element14, ComponentLink6Description=https://datasheet.ciiva.com/1007/e9712-acm-1007624.pdf?src-supplier=Digikey, ComponentLink6URL=https://datasheet.ciiva.com/1007/e9712-acm-1007624.pdf?src-supplier=Digikey, ComponentLink7Description=https://datasheet.ciiva.com/1007/e9712-acm-1007623.pdf?src-supplier=Digikey, ComponentLink7URL=https://datasheet.ciiva.com/1007/e9712-acm-1007623.pdf?src-supplier=Digikey, ComponentLink8Description=https://datasheet.ciiva.com/1007/e9712-acm-1007625.pdf?src-supplier=Digikey, ComponentLink8URL=https://datasheet.ciiva.com/1007/e9712-acm-1007625.pdf?src-supplier=Digikey, ComponentLink9Description=https://datasheet.ciiva.com/4941/tdk-e9712-acm-332263-4941941.pdf?src-supplier=Mouser, ComponentLink9URL=https://datasheet.ciiva.com/4941/tdk-e9712-acm-332263-4941941.pdf?src-supplier=Mouser, ComponentLink10Description=https://datasheet.ciiva.com/16416/e9712-acm-16416522.pdf?src-supplier=Future+Electronics, ComponentLink10URL=https://datasheet.ciiva.com/16416/e9712-acm-16416522.pdf?src-supplier=Future+Electronics, ComponentLink11Description=https://datasheet.ciiva.com/8498/e9712-acm-8498823.pdf?src-supplier=Avnet, ComponentLink11URL=https://datasheet.ciiva.com/8498/e9712-acm-8498823.pdf?src-supplier=Avnet, ComponentLink12Description=https://datasheet.ciiva.com/16382/e9712-acm-16382582.pdf?src-supplier=Future+Electronics, ComponentLink12URL=https://datasheet.ciiva.com/16382/e9712-acm-16382582.pdf?src-supplier=Future+Electronics, Core Material=Ferrite, Current Rating=400mA, Datasheet Link=https://product.tdk.com/system/files/dam/doc/product/emc/emc/cmf_cmc/catalog/cmf_commercial_signal_acm2012_en.pdf, DC Current=400mA, DC Resistance (DCR)=190mR, DC Resistance-Max=190mR, Depth=1.4mm, ESR=190mR, Height=1.3mm, Impedance=90R, Lead Free=5697LeadFree, Length=2.2mm, Manufacturer Part Number=ACM2012-900-2P-T002, Manufacturer_Name=TDK, Manufacturer_Part_Number=ACM2012-900-2P-T002, Max Current Rating=400mA, Max DC Current=400mA, Military Standard=Not, Mounting Technology="Surface Mount", Mouser Price/Stock=https://www.mouser.co.uk/ProductDetail/TDK/ACM2012-900-2P-T002?qs=vhEaPADELPHXWaCJFQVZjQ%3D%3D, Number of Lines=2, Packaging="Tape and Reel", Pins=4, Pricing="1=0.34, 10=0.277, 25=0.2564, 50=0.2416, 100=0.2278, 250=0.21076, 500=0.1987, 1000=0.18735 (USD)", Radiation Hardening=No, Reach SVHC Compliant=No, RMS Current (Irms)=400mA, RoHS=Yes, RoHS Compliant=Yes, Series=ACM, Shielding=Shielded, Stock=26254, Supplier=Digikey, Termination=SMD/SMT, Voltage Rating (DC)=50V, Width=0.047inch